# Altium PCB STM32H743VIT6_Test_B'd.PcbDoc (part 1 of 2) (continued)
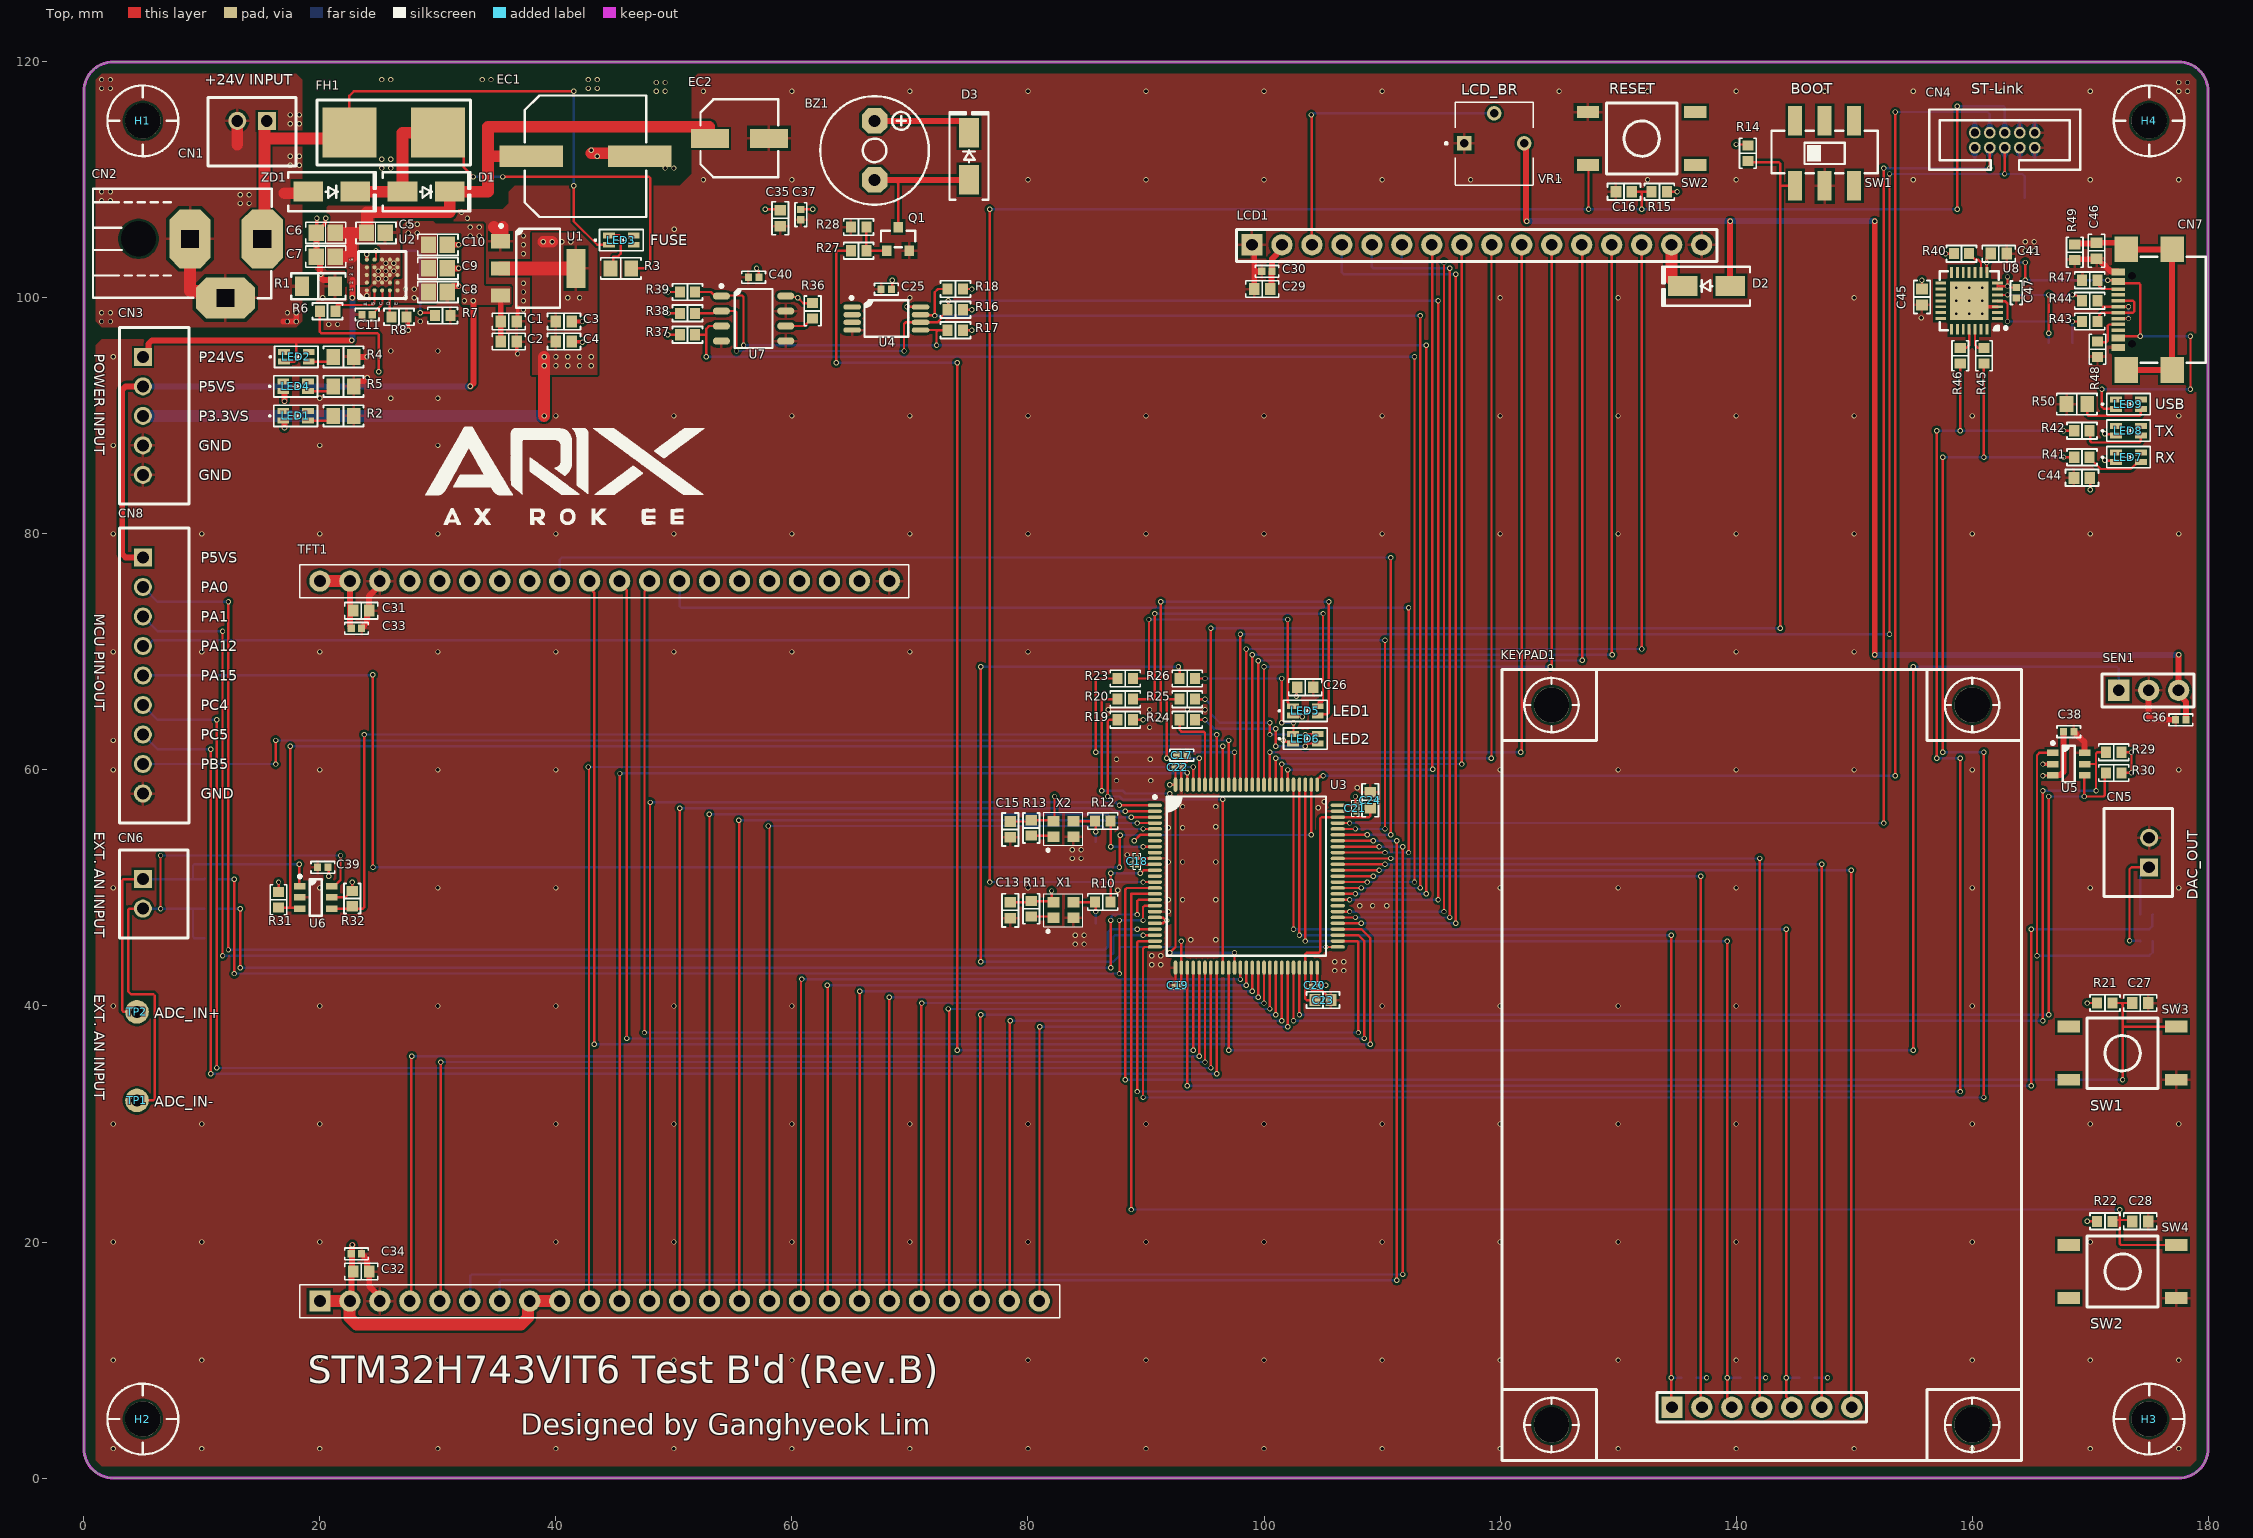
[diagram p0: Top view]
## Footprints (in the part's own frame and the unit in brackets; to place one, negate y for a bottom-side part, rotate by r counter-clockwise, add the part's x,y. Pads: shape width x height; smd on the part's side, far side on the other; paste and mask are expansions set on the pad) (continued)
  silkscreen extent -7.87,-6.75 6.75,6.82, body extent -8.01,-8.01 8.01,8.01, height 1.63
"OSC SMD_2.5x2.0 (SCTF)" [mm] "SMD Oscillator_2.5x2.0 (SCTF)"
  rect 1x0.9 smd: 1(-0.85,-0.65) 2(0.85,-0.65) 3(0.85,0.65) 4(-0.85,0.65)
  silkscreen extent -1.65,-1.9 1.65,1.4, body extent -1.25,-1 1.25,1, height 0.9
"QFN-28 (5x5mm)" [mm] "QFN-28 (5x5mm)"
  rect 0.9x0.25 smd mask+0.04: 1(-2.4,1.5) 2(-2.4,1) 3(-2.4,0.5) 4(-2.4,0) 5(-2.4,-0.5) 6(-2.4,-1) 7(-2.4,-1.5) 15(2.4,-1.5) 16(2.4,-1) 17(2.4,-0.5) 18(2.4,0) 19(2.4,0.5) 20(2.4,1) 21(2.4,1.5)
  rect 0.25x0.9 smd mask+0.04: 8(-1.5,-2.4) 9(-1,-2.4) 10(-0.5,-2.4) 11(0,-2.4) 12(0.5,-2.4) 13(1,-2.4) 14(1.5,-2.4) 22(1.5,2.4) 23(1,2.4) 24(0.5,2.4) 25(0,2.4) 26(-0.5,2.4) 27(-1,2.4) 28(-1.5,2.4)
  rect 3.25x3.25 smd mask+0.04: 29(0,0)
  silkscreen extent -3.22,-2.5 2.5,2.5, body extent -2.5,-2.5 2.5,2.5, height 1
"RES 1608 (0603_inch)" [mm] "Chip Resistor, 2-Leads, Body 1.60x0.80mm, IPC Medium Density"
  rect 0.85x0.95 smd: 1(-0.65,0) 2(0.65,0)
  silkscreen extent -1.27,-0.7 1.27,0.7, body extent -0.8,-0.4 0.8,0.4, height 0.45
"RES 1608 (0603_inch)/NC" [mm] "Chip Resistor, 2-Leads, Body 1.60x0.80mm, IPC Medium Density"
  rect 0.85x0.95 smd: 1(-0.65,0) 2(0.65,0)
  silkscreen extent -1.27,-0.7 1.27,0.7
"RES 2012 (0805_inch)" [mm] "Chip Resistor, 2-Leads, Body 2.00x1.25mm, IPC Medium Density"
  rect 1.15x1.35 smd: 1(-0.875,0) 2(0.875,0)
  silkscreen extent -1.7,-0.9 1.7,0.9, body extent -1,-0.62 1,0.63, height 0.6
"RES 3216 (1206_inch)" [mm] "Chip Resistor, 2-Leads, Body 3.13x1.55mm, IPC Medium Density"
  rect 1.2x1.65 smd: 1(-1.4,0) 2(1.4,0)
  silkscreen extent -2.3,-1.1 2.3,1.1, body extent -1.6,-0.8 1.6,0.8, height 0.6
"SB (Solder-Bridge)" [mm] "SB (Solder-Bridge)"
  rect 0.85x0.95 smd: 1(-0.525,0) 2(0.525,0)
SEN_IR-LTOP-ML38ATH [mm] "IR SENSOR 38kHz"
  rect 1.8x1.8 hole 1: 1(0,0)
  round 1.8 hole 1: 2(2.54,0) 3(5.08,0)
  silkscreen extent -1.4,-1.4 6.4,1.4
"SOIC-8 150mil Wide (MICRO CHIP)" [mm] "SOIC, 8-Leads, Body 4.90x3.90mm, Pitch 1.27mm, IPC Medium Density"
  oval 1.45x0.6 smd: 1(-2.725,1.905) 2(-2.725,0.635) 3(-2.725,-0.635) 4(-2.725,-1.905) 5(2.725,-1.905) 6(2.725,-0.635) 7(2.725,0.635) 8(2.725,1.905)
  silkscreen extent -2.85,-2.5 1.6,2.88, body extent -3.01,-2.45 3.01,2.45, height 1.5
"SOT 23-3 (DIODES INCORPORATED)" [mm] "SOT23, 3-Leads, Body 2.90x2.40mm, Pitch 0.95mm, IPC Medium Density"
  rect 0.9x0.8 smd: 1(-1,0.95) 2(-1,-0.95) 3(1,0)
  silkscreen extent -0.7,-1.45 0.7,1.45, body extent -1.41,-1.45 1.41,1.45, height 1.5
"SOT 223-3 (DIODES INCORPORATED)" [mm] "SOT223, 4-Leads, Body 6.50x7.00mm (avg), Pitch 2.30mm, IPC Medium Density"
  rect 1.6x1.2 smd: 1(-3.2,2.3) 2(-3.2,0) 3(-3.2,-2.3)
  rect 1.6x3.3 smd: 4(3.2,0)
  silkscreen extent -3.27,-3.35 1.85,3.72, body extent -3.52,-3.25 3.5,3.25, height 1.8
"SOT-23-6 (TI DBV PACKAGE)" [mm] "SOT23, 6-Leads, Body 2.90x2.80mm, Pitch 0.95mm, IPC Medium Density"
  rect 1x0.55 smd: 1(-1.35,0.95) 2(-1.35,0) 3(-1.35,-0.95) 4(1.35,-0.95) 5(1.35,0) 6(1.35,0.95)
  silkscreen extent -1.47,-1.55 0.5,1.9, body extent -1.44,-1.53 1.44,1.52, height 1.45
"SW K2-1102SP-C4SC-04" [mm] "-25℃~+85℃ 6mm 5mm Round Button 50mA Brick nogging 6mm SPST 100MΩ 100000 250gf@±30gf 12V SMD  Tactile Switches ROHS"
  rect 1.9x1 smd: 1(-4.55,2.25) 2(4.55,2.25) 3(-4.55,-2.25) 4(4.55,-2.25)
  silkscreen extent -3,-3 3,3, body extent -4.25,-3.05 4.25,3.05, height 4.3
"SW YSS-1201S-2mm" [mm] "SMD Type Slide Switch"
  rect 1.2x2.5 smd: 1(-2.5,-2.75) 2(0,-2.75) 3(2.5,-2.75) 4(2.5,2.75) 5(0,2.75) 6(-2.5,2.75)
  silkscreen extent -4.5,-1.7 4.5,1.9, body extent -4.25,-1.75 4.25,1.75, height 5.5
TP_HOLE(1MM)#1 [mm] "TP_HOLE(1MM)"
  round 2 hole 1: 1(0,0)
TP_HOLE(1MM)#2 [mm] "TP_HOLE(1MM)"
  round 2 hole 1: 1(0,-3.5)
"TSSOP-8_PW (TI)" [mm] "TSSOP, 8-Leads, Body 3.00x4.40mm, Pitch 0.65mm, IPC Medium Density"
  oval 1.5x0.45 smd: 1(-2.9,0.975) 2(-2.9,0.325) 3(-2.9,-0.325) 4(-2.9,-0.975) 5(2.9,-0.975) 6(2.9,-0.325) 7(2.9,0.325) 8(2.9,0.975)
  silkscreen extent -3.07,-1.55 1.85,1.87, body extent -3.21,-1.5 3.21,1.5, height 1.2
VR_3362P-1-103LF [mm] "±10% ±100ppm/℃ 10kΩ Plugin  Variable Resistors/Potentiometers ROHS"
  rect 1.222x1.222 hole 0.714: 1(-2.54,0)
  round 1.222 hole 0.714: 2(0,2.54) 3(2.54,0)
  silkscreen extent -4.16,-3.53 3.3,3.47, body extent -3.3,-3.5 3.3,3.5, height 4.88

## Part data
BZ1: library part BZ_FQ-014, "Magnetic Active Buzzer / Rated Voltage: 5V / Size: 9x5.5mm"
C1 C4 C29 C31 C32 C35: library part CAP_10uF/10V/1608, "Ceramic CAP_10uF/10V/1608", JLCPCB Part Type="Basic Part", LCSC Part #=C19702
C2 C3 C13 C15 C16 C27 C28 C46: library part CAP_100nF/50V/1608, "Ceramic CAP_100nF/50V/1608", JLCPCB Part Type="Basic Part", LCSC Part #=C14663
C5 C10: library part CAP_10uF/50V/2012, "Ceramic CAP_10uF/50V/2012", JLCPCB Part Type="Basic Part", LCSC Part #=C440198
C6 C9: library part CAP_2.2uF/50V/2012, "Ceramic CAP_2.2uF/50V/2012", JLCPCB Part Type="Basic Part", LCSC Part #=C49217
C7 C8: library part CAP_100nF/50V/2012, "Ceramic CAP_100nF/50V/2012", JLCPCB Part Type="Basic Part", LCSC Part #=C49678
C11 C25 C30 C33 C34 C36 C37 C38 C39 C40 C47: library part CAP_100nF/16V/1005, "Ceramic CAP_100nF/16V/1005", JLCPCB Part Type="Basic Part", LCSC Part #=C1525
C12 C14 C42 C43: library part CAP_NC_15pF/16V/1608, "Ceramic CAP_15pF/16V/1608"
C17: library part CAP_4.7uF/10V/1005, "Ceramic CAP_4.7uF/10V/1005", JLCPCB Part Type="Basic Part", LCSC Part #=C23733
C18 C19 C20 C21 C22: library part CAP_100nF/25V/0603, "Ceramic CAP_100nF/25V/0603", JLCPCB Part Type="Extended Part", LCSC Part #=C181047
C23 C24 C26 C44: library part CAP_2.2uF/16V/1608, "Ceramic CAP_2.2uF/16V/1608", JLCPCB Part Type="Basic Part", LCSC Part #=C23630
C41 C45: library part CAP_1uF/50V/1608, "Ceramic CAP_1uF/50V/1608", JLCPCB Part Type="Basic Part", LCSC Part #=C15849
CN1 CN5 CN6: library part CON_0353120260, "CONN HEADER VERT 2POS 2.5MM"
CN2: library part CON_DC-Jack, ComponentLink1Description="Manufacturer Link", ComponentLink1URL=http://www.cliffuk.co.uk/
CN3: library part CON_0353120560, "CONN HEADER VERT 5POS 2.5MM"
CN4: library part CON_IDC_3220-10-0100-00, "CONN HEADER VERT 10POS 1.27MM"
CN7: library part CON_USB-Type-C, "USB 2.0 5A 1 Surface Mount 16 Female -35℃~+75℃ Type-C SMD  USB Connectors ROHS", JLCPCB Part Type="Extended Part", LCSC Part #=C2977718
CN8: library part CON_0353120960, "CONN HEADER VERT 9POS 2.5MM"
D1: library part DIO_SS34, "DIODE SCHOTTKY 40V 3A SMC", JLCPCB Part Type="Basic Part", LCSC Part #=C8678
D2 D3: library part DIO_M7, "1A 5uA@1kV 1kV 1.1V@1A SMA(DO-214AC)  Diodes - General Purpose ROHS", JLCPCB Part Type="Basic Part", LCSC Part #=C95872
EC1: library part "CAP_EC 330uF/35V/10Øx10", "Electrolytic CAP_330uF/35V/10Øx10", JLCPCB Part Type="Extended Part", LCSC Part #=C311621
EC2: library part "CAP_EC 100uF/35V/6.3Øx7.7", "Eletrolytic CAP_100uF/35V/6.3Øx7.7", JLCPCB Part Type="Extended Part", LCSC Part #=C176666
FH1: library part FUSE_01550900M-SMD, "Fuse Block 10A 125V 1 Circuit Cartridge Surface Mount", JLCPCB Part Type="Extended Part", LCSC Part #=C108518
H1 H2 H3 H4: library part HOLE_NTH-3MM, "Non-Through Hole 3mm"
KEYPAD1: library part KEYPAD_NT-804AN-BW, "Legend(Character) type : Alpha-Numeric, Body/Key color : WHITE, Character color : BLACK"
LCD1: library part LCD_Character-1602
LED1 LED2 LED4 LED7 LED8 LED9: library part LED_MHT170RGBCT(BLUE), "Colorless transparence -30℃~+85℃ Positive post Common anode RGB 120° 0805  Light Emitting Diodes (LED) ROHS", JLCPCB Part Type="Extended Part", LCSC Part #=C2962094
LED3: library part LED_MHT170RGBCT(RED), "Colorless transparence -30℃~+85℃ Positive post Common anode RGB 120° 0805  Light Emitting Diodes (LED) ROHS", JLCPCB Part Type="Extended Part", LCSC Part #=C2962094
LED5 LED6: library part LED_RGB_MHT170RGBCT, "Colorless transparence -30℃~+85℃ Positive post Common anode RGB 120° 0805  Light Emitting Diodes (LED) ROHS", JLCPCB Part Ype="Extended Part", LCSC Part #=C2962094
Q1: library part BJT_NPN_MMBT3904, "100nA 40V 200mW 200mA 100@10mA,1V 300MHz 300mV@50mA,5mA NPN +150℃@(Tj) SOT-23(SOT-23-3)  Bipolar Transistors - BJT ROHS", JLCPCB Part Type="Basic Part", LCSC Part #=C20526
R1: library part RES_0R/3216/0.25W, "RES_0R/3216/0.25W", JLCPCB Part Type="Basic Part", LCSC Part #=C17888, Power Rating=0.1W, Precision=1%, Size=1608
R2: library part RES_330R/2012/0.125W, "RES_330R/2012/0.125W", JLCPCB Part Type="Basic Part", LCSC Part #=C17630, Power Rating=0.125W, Precision=1%, Size=2012
R3 R4: library part RES_4.7K/2012/0.125W, "RES_4.7K/2012/0.125W", JLCPCB Part Type="Basic Part", LCSC Part #=C17673, Power Rating=0.125W, Precision=1%, Size=2012
R5 R50: library part RES_680R/2012/0.125W, "RES_680R/2012/0.125W", JLCPCB Part Type="Basic Part", LCSC Part #=C17798, Power Rating=0.125W, Precision=1%, Size=2012
R6 R14 R15 R21 R22: library part RES_100K/1608/0.1W, "RES_100K/1608/0.1W", JLCPCB Part Type="Basic Part", LCSC Part #=C25803, Power Rating=0.1W, Precision=1%, Size=1608
R7: library part RES_25.5K/1608/0.1W, "RES_25.5K/1608/0.1W", JLCPCB Part Type="Extended Part", LCSC Part #=C321813, Power Rating=0.1W, Precision=1%, Size=1608
R8: library part RES_45.3K/1608/0.1W, "RES_45.3K/1608/0.1W", JLCPCB Part Type="Extended Part", LCSC Part #=C304756, Power Rating=0.1W, Precision=1%, Size=1608
R10 R11 R12 R13 R36 R43 R44 R45 R46: library part RES_0R/1608/0.1W, "RES_0R/1608/0.1W", JLCPCB Part Type="Basic Part", LCSC Part #=C21189, Power Rating=0.1W, Precision=1%, Size=1608
R16 R17 R18 R28 R29 R30 R31 R32 R40: library part RES_4.7K/1608/0.1W, "RES_4.7K/1608/0.1W", JLCPCB Part Type="Basic Part", LCSC Part #=C23162, Power Rating=0.1W, Precision=1%, Size=1608
R19 R20 R23 R24 R25 R26: library part RES_470R/1608/0.1W, "RES_470R/1608/0.1W", JLCPCB Part Type="Basic Part", LCSC Part #=C23179, Power Rating=0.1W, Precision=1%, Size=1608
R27: library part RES_1K/1608/0.1W, "RES_1K/1608/0.1W", JLCPCB Part Type="Basic Part", LCSC Part #=C21190, Power Rating=0.1W, Precision=1%, Size=1608
R33 R34 R35 R38 R39: library part RES_NC_4.7K/1608/0.1W, "RES_4.7K/1608/0.1W", Power Rating=0.1W, Precision=1%, Size=1608
R37: library part RES_10K/1608/0.1W, "RES_10K/1608/0.1W", JLCPCB Part Type="Basic Part", LCSC Part #=C25804, Power Rating=0.1W, Precision=1%, Size=1608
R41 R42: library part RES_330R/1608/0.1W, "RES_330R/1608/0.1W", JLCPCB Part Type="Basic Part", LCSC Part #=C23138, Power Rating=0.1W, Precision=1%, Size=1608
R47 R48: library part RES_5.1K/1608/0.1W, "RES_5.1K/1608/0.1W", JLCPCB Part Type="Basic Part", LCSC Part #=C23186, Power Rating=0.1W, Precision=1%, Size=1608
R49: library part RES_1M/1608/0.1W, "RES_1M/1608/0.1W", JLCPCB Part Type="Basic Part", LCSC Part #=C22935, Power Rating=0.1W, Precision=1%, Size=1608
SB1 SB2 SB3 SB4 SB5 SB6: library part SB_Solder-Bridge, "SB_Solder-Bridge"
SEN1: library part SEN_IR_LTOP-ML38ATH
SW1: library part SW_YSS-1201S(2mm)_2P, "SMD Slide Switch. / Rating : DC 6V/0.3A / Travel : 2MM"
SW2 SW3 SW4: library part SW_K2-1102SP-C4SC-04(2P), "-25℃~+85℃ 6mm 5mm Round Button 50mA Brick nogging 6mm SPST 100MΩ 100000 250gf@±30gf 12V SMD  Tactile Switches ROHS", JLCPCB Part Type="Extended Part", LCSC Part #=C127509
TFT1: library part LCD_TFT-32A
U1: library part IC_REG_AMS1117-3.3, "72dB@(120Hz) 1A 1.3V@(800mA) Fixed 3.3V~3.3V Positive 1 SOT-223  Linear Voltage Regulators (LDO) ROHS", JLCPCB Part Type="Basic Part", LCSC Part #=C6186
U2: library part IC_REG_LTM8074IY#PBF, "1.2A, 40V DC/DC Buck Module Reg", JLCPCB Part Type="Extended Part", LCSC Part #=C690772
U3: library part IC_MCU_STM32H743VIT6, "MCU High-performance & DSP DP-FPU, Arm Cortex-M7 MCU 2MBytes of Flash 1MB RAM, 480 M", JLCPCB Part Type="Extended Part", LCSC Part #=C114409
U4: library part IC_EEPROM_AT24C16, "IC EEPROM 16KBIT I2C 1MHZ 8TSSOP", JLCPCB Part Type="Extended Part", LCSC Part #=C112954
U5: library part IC_DAC_MCP4725A1T-E/CH, "IC DAC 12BIT V-OUT SOT23-6", JLCPCB Part Type="Extended Part", LCSC Part #=C61423
U6: library part IC_ADC_ADS1100A0IDBVR, "IC ADC 16BIT SIGMA-DELTA SOT23-6", JLCPCB Part Type="Extended Part", LCSC Part #=C23361
U7: library part IC_TEMP-SEN_LM75AD, "Board Mount Temperature Sensors TEMP SENSOR DIGITAL", JLCPCB Part Type="Extended Part", LCSC Part #=C7963
U8: library part IC_USB_CP2102, "Transceiver 1Mbps USB 1/1 QFN-28_5x5x05P  USB ICs ROHS", JLCPCB Part Type="Basic Part", LCSC Part #=C6568
VR1: library part VR_3362P-1-103LF, "±10% ±100ppm/℃ 10kΩ Plugin  Variable Resistors/Potentiometers ROHS", JLCPCB Part Type="Extended Part", LCSC Part #=C58159
X1: library part OSC_S2D12.000000B20F30T(12MHz), "3.3V~3.3V -40℃~+85℃ 20mA ±20ppm 12MHz SMD2520-4P  Oscillators ROHS", JLCPCB Part Type="Extended Part", LCSC Part #=C387449
X2: library part OSC_S2D32.768KB20F30T(32.768kHz), "3.3V ±20ppm CMOS 32.768kHz SMD2520-4P  Oscillators ROHS", JLCPCB Part Type="Extended Part", LCSC Part #=C387463
ZD1: library part DIO_SMAJ24A, "Rectifier Diode", JLCPCB Part Type="Extended Part", LCSC Part #=C113962

## Via types
v1: diameter 0.45, hole 0.3, Top to Bottom, tented both sides, 699 vias
v2: diameter 0.5, hole 0.2, Top to Bottom, 9 vias

## Nets (pads, with @x,y where several pads share a name; then routed paths per layer and width w, separated by ;. In a path a pad name is that pad's centre, name@x,y a point inside that pad or via, vN(x,y) a via of type N, cw(c..) or ccw(c..) an arc to the next point about the centre after c; other vN are vias at no path point)
CP2102_RXD: R46.1 U8.25 | length 2.2
  Top w0.2: R46.1@159,95.75 159.5,95.75 159.75,96 U8.25@159.75,97.35
CP2102_TXD: R45.1 U8.26 | length 2.2
  Top w0.2: U8.26@160.25,97.35 160.25,96 160.5,95.75 R45.1@161,95.75
DGND: C1.1 C2.1 C3.1 C4.1 C5.1 C6.1 C7.1 C8.1 C9.1 C10.1 C11.1 C12.1 C13.1 C14.1 C15.1 C16.1 C17.1 C18.1 C19.1 C20.1 C21.1 C22.1 C23.2 C24.2 C25.1 C26.2 C27.1 C28.1 C29.1 C30.1 C31.1 C32.1 C33.1 C34.1 C35.1 C36.1 C37.1 C38.1 C39.1 C40.1 C41.1 C42.1 C43.1 C44.2 C45.1 C46.2 C47.1 CN3.4 CN3.5 CN4.7 CN4.8 CN4.9 CN4.10 CN5.2 CN7.A1 CN7.B1 CN8.9 EC2.2 LCD1.1 LCD1.16 Q1.2 R1.2 R2.1 R4.1 R5.2 R7.1 R8.1 R28.1 R47.1 R48.1 R49.2 R50.1 SB3.1 SEN1.2 SW1.2 SW2.1 SW3.1 SW4.1 TFT1.3 TFT1.28 TFT1.45 U1.1 U2.A1 U2.A5 U2.B2 U2.B3 U2.B4 U2.C2 U2.C3 U2.C4 U2.C5 U2.D2 U2.D3 U2.D4 U2.D5 U2.E3 U2.E4 U2.E5 U3.10 U3.19 U3.26 U3.49 U3.74 U3.99 U4.4 U5.2 U5.6 U6.2 U7.4 U7.5 U7.7 U8.3 U8.29 VR1.1 X1.2 X2.2 | length 61.7
  Top w0.2: C18.1@89.25,52.56 89.291,52.519 90.731,52.519 U3.10@90.75,52.5 ; C19.1@92.38,41.75 92.405,41.75 92.5,41.845 U3.26@92.5,43.25 ; U3.99@93,58.75 C22.1@93,60.25 93.025,60.25 93.48,60.705 C17.1@93.48,61.25 ; U3.49@104,43.25 C20.1@104,41.75 104,41.417 104.117,41.3 104.925,41.3 105.675,40.55 C23.2@105.675,40.5 ; U3.74@106.25,56.5 106.269,56.481 107.709,56.481 C21.1@107.75,56.44
  Top w0.3: C6.1@19.7,105.5 C6.1@19.75,105.55 ; v1(19.75,106.75) C6.1@19.75,105.55 ; v1(20.5,106.75) 20.471,106.721 20.471,106.359 20.411,106.299 20.411,106.261 19.75,105.6 C6.1@19.75,105.55 ; R1.2@20.825,101.504 20.825,101.45 R1.2@21.275,101 ; v1(23.975,100.175) U2.A1@23.976,100.64 ; U2.A5@23.976,103.24 v1(23.975,103.7) ; v1@25.6,102.27 v1(25.6,102.275) ; R8.1@27.351,98.39 27.471,98.269 27.471,97.279 v1(27.5,97.25) ; C2.1@36.675,96.3 36.675,95.366 36.75,95.291 v1(36.75,95.25) ; C1.1@36.675,98 36.75,98.075 36.75,99.25 ; C4.1@41.35,96.3 42.159,96.3 42.209,96.25 v1(42.25,96.25) ; C3.1@41.35,98 v1(42.25,98) ; v2(159.75,99.75) 160.25,99.25 U8.3@162.15,99.25 ; v1(166,60.5) U5.2@166.84,60.5
  Top w0.5: C6.1@19.7,105.5 v1(19.7,104.5) C7.1@19.7,103.5 20,103.2 20,101.796 20.293,101.504 R1.2@20.825,101.504 ; R5.2@22.875,92.5 22.875,92.6 23.2,92.925 23.675,92.925 v1(24,93.25) ; R4.1@22.875,95 v1(24,95) ; C34.1@23.54,19 23.54,18.98 23.975,18.545 23.975,17.7 C32.1@24.175,17.5 24.182,17.493 24.182,16.25 25.08,15.352 TFT1.3@25.08,15 ; C33.1@23.54,72 23.54,72.02 23.975,72.455 23.975,73.3 C31.1@24.175,73.5 24.175,74.75 25.08,75.655 TFT1.28@25.08,76 ; C8.1@30.8,100.5 30.8,100.55 31.2,100.95 31.25,100.95 31.3,101 v1(31.75,101) ; C9.1@30.8,102.5 v1(31.75,102.5) ; C10.1@30.8,104.5 v1(31.75,104.5) ; LCD1.1@98.98,104.5 99.175,104.305 99.175,102.25 ; C29.1@99.175,100.75 99.175,102.25 ; C30.1@99.81,102.25 99.175,102.25 ; C38.1@168.63,63.25 168.63,63.23 169.166,62.694 169.186,62.694 169.54,62.34 U5.6@169.54,61.45 ; R49.2@168.695,103.22 168.747,103.273 170.492,103.273 C46.2@170.545,103.325 170.595,103.325 171.17,102.75 171.25,102.75 171.75,102.25 172.35,102.25 CN7.B1@172.4,102.2 ; SEN1.2@174.96,66.75 174.96,64.543 175.253,64.25 C36.1@177.25,64.25
  Top w1: 34.75,106 35,105.75 ; U1.1@35,104.873 35.473,104.873 35.5,104.9 35.5,106
  other v1: 2.5,2.5 10,2.5 20,2.5 30,2.5 40,2.5 50,2.5 60,2.5 70,2.5 80,2.5 90,2.5 100,2.5 110,2.5 120,2.5 130,2.5 140,2.5 150,2.5 160,2.5 170,2.5 177.5,2.5 2.5,10 10,10 20,10 30,10 40,10 50,10 60,10 70,10 80,10 90,10 100,10 110,10 120,10 130,10 140,10 160,10 170,10 177.5,10 2.5,20 10,20 20,20 40,20 50,20 60,20 70,20 80,20 90,20 100,20 110,20 120,20 130,20 140,20 160,20 170,20 2.5,30 10,30 20,30 40,30 50,30 60,30 70,30 80,30 90,30 100,30 110,30 120,30 130,30 140,30 160,30 170,30 177.5,30 2.5,40 20,40 30,40 40,40 50,40 60,40 110,40 120,40 130,40 140,40 160,40 177.5,40 106,43 106.75,43 90.5,43.5 91.25,43.5 106,43.75 106.75,43.75 90.5,44.25 91.25,44.25 84,45.25 84.75,45.25 93.8,45.6 95.9,45.6 84,46 84.75,46 91.9,48 108.1,48.5 109.2,48.5 110.4,48.5 91.9,49 93.1,49 95.9,49 87.6,49.8 2.5,50 20,50 30,50 40,50 80,50 120,50 130,50 140,50 160,50 170,50 177.5,50 91.9,52.2 93.1,52.2 95.9,52.2 83.75,52.5 84.5,52.5 88.4,52.8 83.75,53.25 84.5,53.25 91.9,55.1 93.1,55.1 95.9,55.2 104.6,56.8 91.9,56.9 93.1,56.9 95.9,56.9 105.1,57.3 107.9,58.5 87.5,59.1 90.4,59.1 2.5,60 20,60 30,60 40,60 120,60 130,60 140,60 150,60 160,60 177.5,60 87.5,60.9 90.366,60.904 2.5,62.5 90.3,63.6 86.8,65.1 90.3,65.1 95,65.1 93.51,65.124 2.5,70 10,70 20,70 30,70 40,70 50,70 60,70 70,70 80,70 140,70 150,70 2.5,80 10,80 20,80 30,80 40,80 50,80 60,80 70,80 80,80 90,80 100,80 110,80 120,80 130,80 140,80 150,80 160,80 170,80 177.5,80 2.5,87.5 10,87.5 20,87.5 30,87.5 40,90 50,90 60,90 70,90 80,90 90,90 100,90 110,90 120,90 130,90 140,90 150,90 160,90 177.5,90 20,91.5 26,91.5 30,91.5 2.5,95 10,95 26,95.5 30,95.5 20.75,97.75 21.5,97.75 28.5,98 155.7,98.3 37.25,99 37.25,99.75 20.25,100 70,100 120,100 130,100 150,100 37.25,100.5 37.25,101.25 24.95,101.625 25.6,101.625 20.09,102.016 24.95,102.275 26.25,102.275 25.6,102.925 26.25,102.925 37.25,103.75 164.5,104 165.25,104 37.25,104.5 164.5,104.75 165.25,104.75 37.25,105.25 50.039,105.828 32.5,106.75 32,107.25 52.5,110 60,110 80,110 90,110 100,110 110,110 117.5,110 125,110 132.5,110 140,110 155,110 170,110 177.5,110 52.5,117.5 60,117.5 70,117.5 80,117.5 90,117.5 100,117.5 110,117.5 117.5,117.5 125,117.5 132.5,117.5 140,117.5 147.5,117.5 155,117.5 162.5,117.5 170,117.5 177.5,117.5 178.25,117.5 177.5,118.25 178.25,118.25
  other v2: 158.65,98.65 159.75,98.65 160.85,98.65 158.65,99.75 160.85,99.75 158.65,100.85 159.75,100.85 160.85,100.85